# KiCad board Sofle_Pico_Choc.kicad_pcb (continued)
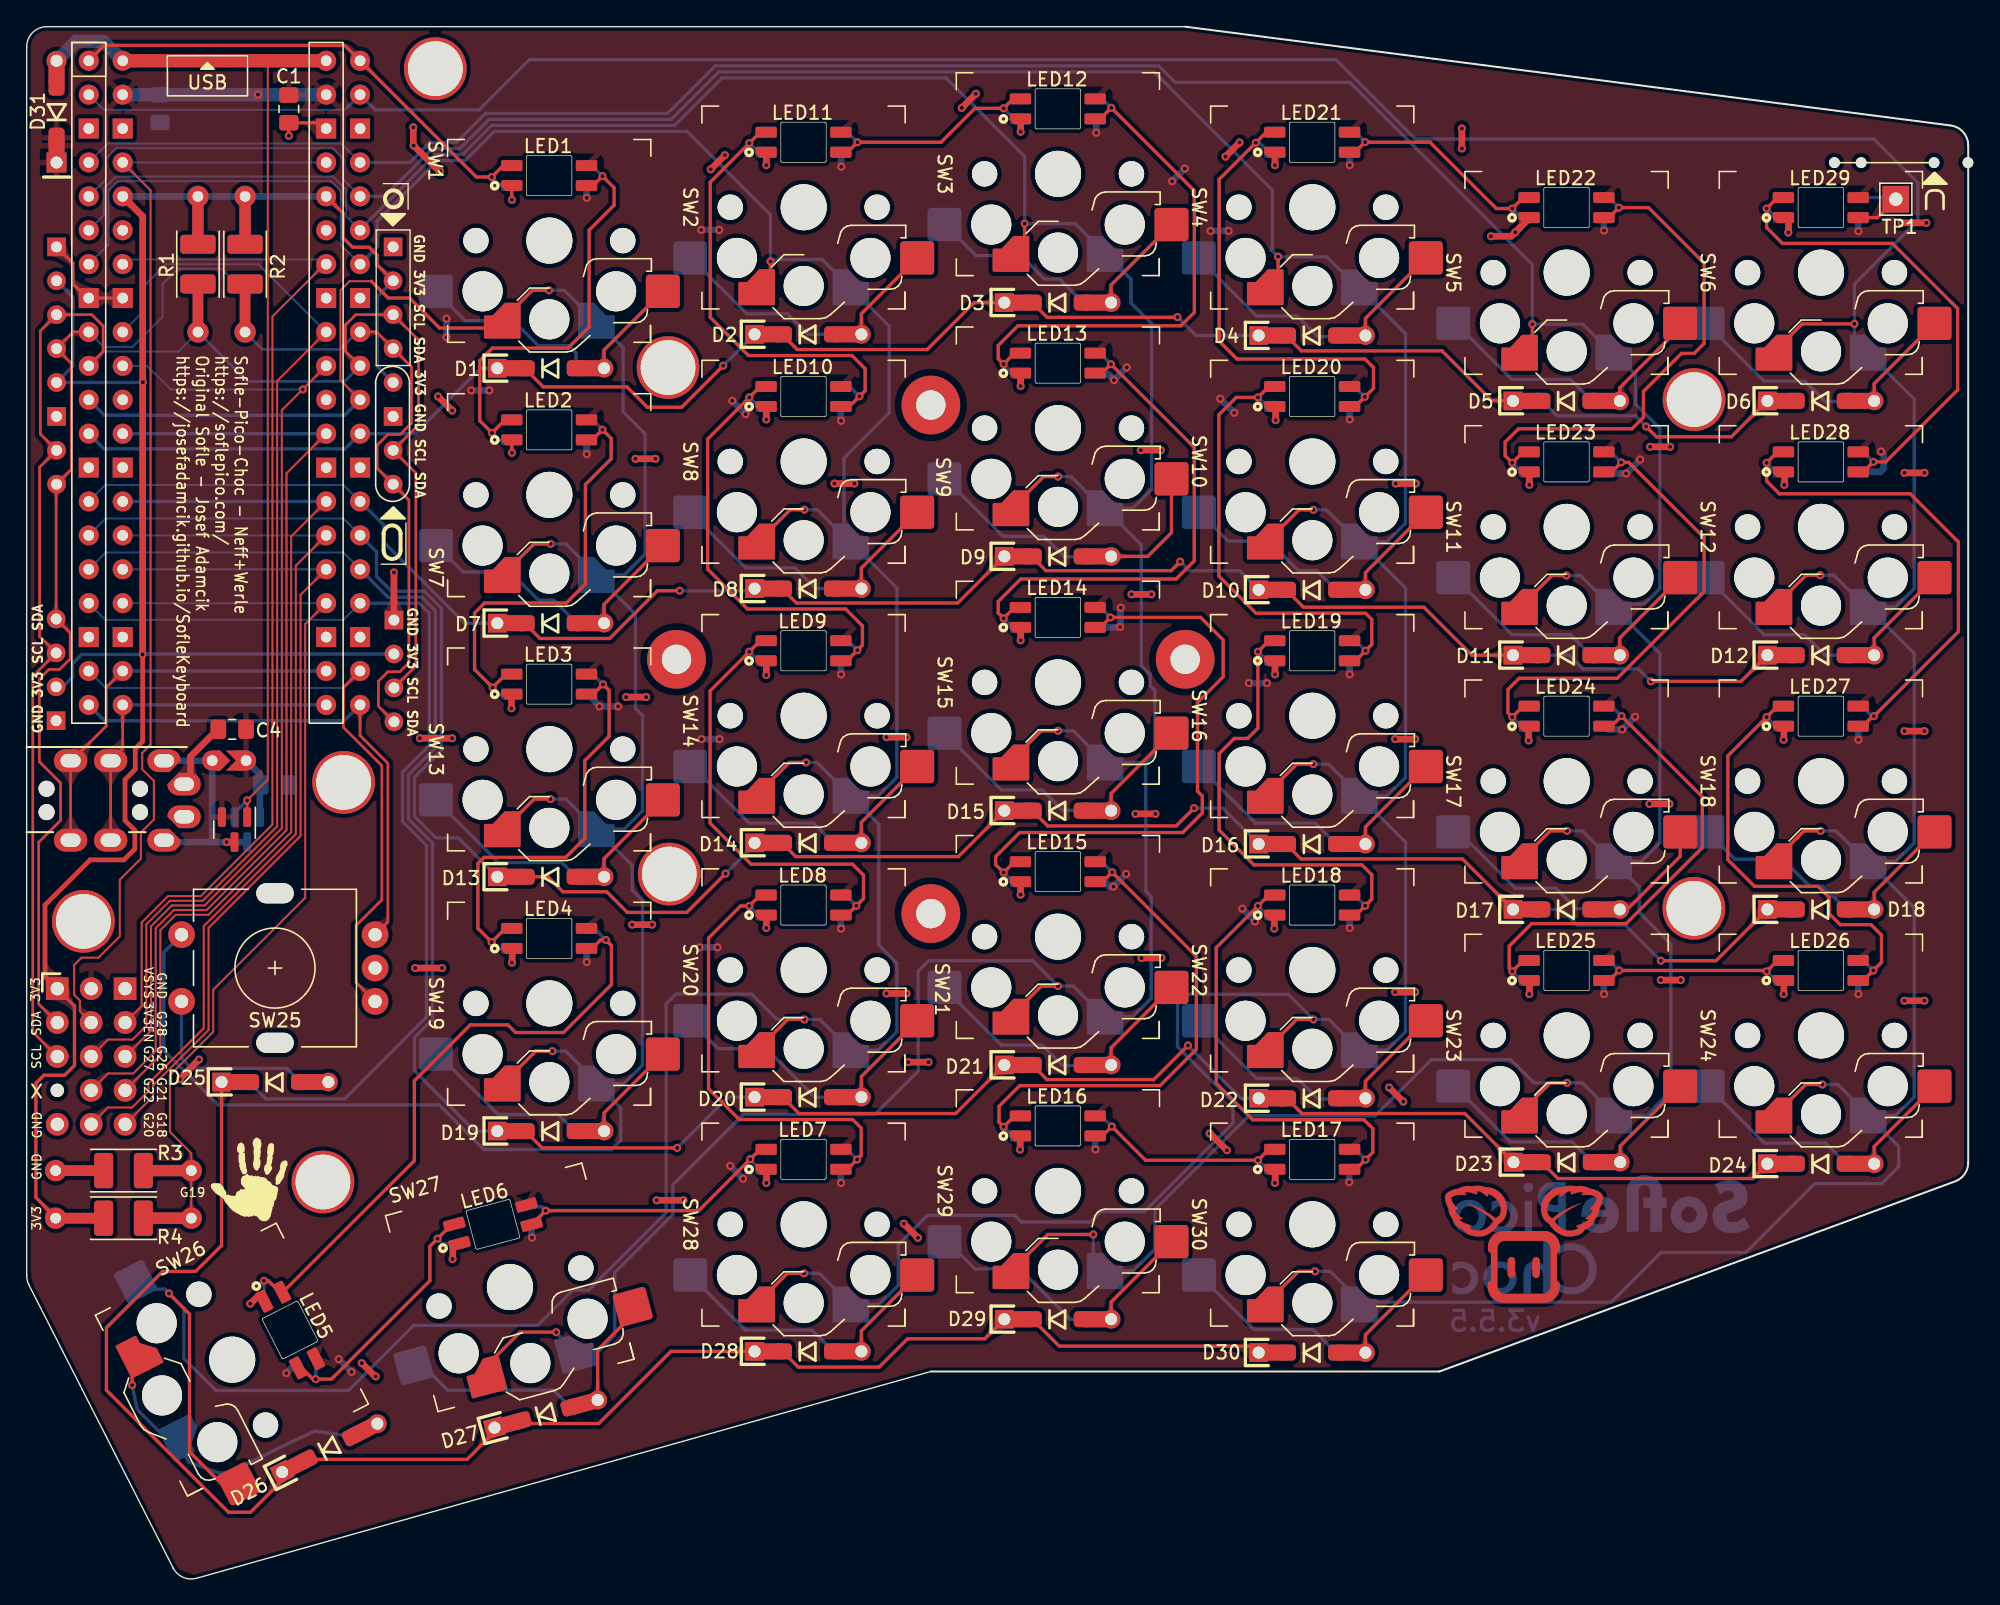
[diagram p0: board, top side]
## Nets
3V3: J1.1 J3.3 J4.3 J7.3 R1.1 R2.1 R4.2 U2.36
/3V3_EN: J5.4 U2.37
GND: C1.2 C2.2 C3.2 C4.2 J1.5 J2.1 J3.4 J4.4 J5.1 J7.4 LED1.1 LED2.1 LED3.1 LED4.1 LED5.1 LED6.1 LED7.1 LED8.1 LED9.1 LED10.1 LED11.1 LED12.1 LED13.1 LED14.1 LED15.1 LED16.1 LED17.1 LED18.1 LED19.1 LED20.1 LED21.1 LED22.1 LED23.1 LED24.1 LED25.1 LED26.1 LED27.1 LED28.1 LED29.1 R3.2 SW25.C U2.3 U2.8 U2.13 U2.18 U2.23 U2.28 U2.33 U2.38
VBUS: D31.2 Q1.1 U2.40
col0: SW6.1 SW12.1 SW18.1 SW24.1 SW30.1 U2.2
col1: SW5.1 SW11.1 SW17.1 SW23.1 SW29.1 U2.4
col2: SW4.1 SW10.1 SW16.1 SW22.1 SW28.1 U2.5
col3: SW3.1 SW9.1 SW15.1 SW21.1 SW27.1 U2.6
col4: SW2.1 SW8.1 SW14.1 SW20.1 SW26.2 U2.7
col5: SW1.1 SW7.1 SW13.1 SW19.1 SW25.S1 U2.11
ENCA: SW25.A U2.19
ENCB: SW25.B U2.20
GP18: R3.1 R4.1 U2.24
GP19: J5.9 U2.25
GP20: J5.10 U2.26
GP21: J5.7 U2.27
GP22: J5.8 U2.29
GP26: J5.5 U2.31
GP27: J5.6 U2.32
GP28: J5.3 U2.34
LED: LED1.2 U2.1
row0: D1.1 D2.1 D3.1 D4.1 D5.1 D6.1 U2.12
row1: D7.1 D8.1 D9.1 D10.1 D11.1 D12.1 U2.14
row2: D13.1 D14.1 D15.1 D16.1 D17.1 D18.1 U2.15
row3: D19.1 D20.1 D21.1 D22.1 D23.1 D24.1 U2.16
row4: D25.1 D26.1 D27.1 D28.1 D29.1 D30.1 U2.17
RX: J2.4 U2.22
SCL: J1.3 J3.2 J4.2 J7.2 R1.2 U2.10
SDA: J1.2 J3.1 J4.1 J7.1 R2.2 U2.9
SW25B: D25.2 SW25.S2
TX: J2.3 U2.21
VSYS: C1.1 C2.1 C3.1 C4.1 D31.1 J5.2 JP2.2 LED1.3 LED2.3 LED3.3 LED4.3 LED5.3 LED6.3 LED7.3 LED8.3 LED9.3 LED10.3 LED11.3 LED12.3 LED13.3 LED14.3 LED15.3 LED16.3 LED17.3 LED18.3 LED19.3 LED20.3 LED21.3 LED22.3 LED23.3 LED24.3 LED25.3 LED26.3 LED27.3 LED28.3 LED29.3 Q1.2 U2.39
Net-(D1-A): D1.2 SW1.2
Net-(D2-A): D2.2 SW2.2
Net-(D3-A): D3.2 SW3.2
Net-(D4-A): D4.2 SW4.2
Net-(D5-A): D5.2 SW5.2
Net-(D6-A): D6.2 SW6.2
Net-(D7-A): D7.2 SW7.2
Net-(D8-A): D8.2 SW8.2
Net-(D9-A): D9.2 SW9.2
Net-(D10-A): D10.2 SW10.2
Net-(D11-A): D11.2 SW11.2
Net-(D12-A): D12.2 SW12.2
Net-(D13-A): D13.2 SW13.2
Net-(D14-A): D14.2 SW14.2
Net-(D15-A): D15.2 SW15.2
Net-(D16-A): D16.2 SW16.2
Net-(D17-A): D17.2 SW17.2
Net-(D18-A): D18.2 SW18.2
Net-(D19-A): D19.2 SW19.2
Net-(D20-A): D20.2 SW20.2
Net-(D21-A): D21.2 SW21.2
Net-(D22-A): D22.2 SW22.2
Net-(D23-A): D23.2 SW23.2
Net-(D24-A): D24.2 SW24.2
Net-(D26-A): D26.2 SW26.1
Net-(D27-A): D27.2 SW27.2
Net-(D28-A): D28.2 SW28.2
Net-(D29-A): D29.2 SW29.2
Net-(D30-A): D30.2 SW30.2
Net-(JP2-A): J2.2 JP2.1 Q1.3
Net-(LED1-DOUT): LED1.4 LED2.2
Net-(LED2-DOUT): LED2.4 LED3.2
Net-(LED3-DOUT): LED3.4 LED4.2
Net-(LED4-DOUT): LED4.4 LED5.2
Net-(LED5-DOUT): LED5.4 LED6.2
Net-(LED6-DOUT): LED6.4 LED7.2
Net-(LED7-DOUT): LED7.4 LED8.2
Net-(LED8-DOUT): LED8.4 LED9.2
Net-(LED10-DIN): LED9.4 LED10.2
Net-(LED10-DOUT): LED10.4 LED11.2
Net-(LED11-DOUT): LED11.4 LED12.2
Net-(LED12-DOUT): LED12.4 LED13.2
Net-(LED13-DOUT): LED13.4 LED14.2
Net-(LED14-DOUT): LED14.4 LED15.2
Net-(LED15-DOUT): LED15.4 LED16.2
Net-(LED16-DOUT): LED16.4 LED17.2
Net-(LED17-DOUT): LED17.4 LED18.2
Net-(LED18-DOUT): LED18.4 LED19.2
Net-(LED19-DOUT): LED19.4 LED20.2
Net-(LED20-DOUT): LED20.4 LED21.2
Net-(LED21-DOUT): LED21.4 LED22.2
Net-(LED22-DOUT): LED22.4 LED23.2
Net-(LED23-DOUT): LED23.4 LED24.2
Net-(LED24-DOUT): LED24.4 LED25.2
Net-(LED25-DOUT): LED25.4 LED26.2
Net-(LED26-DOUT): LED26.4 LED27.2
Net-(LED27-DOUT): LED27.4 LED28.2
Net-(LED28-DOUT): LED28.4 LED29.2
Net-(LED29-DOUT): LED29.4 TP1.1

Pads without a net: REF** 1; U2 30 35

## Via types
v1: diameter 0.6, hole 0.3, Top to Bottom, 268 vias

## Routing (per net, layer and track width the routed paths; a pad name or vN(x,y) marks a point on that pad's centre or on a via; arc(x,y) is an arc through that point)
3V3: length 162
  Top w0.25: 1.3,27.92 1.86,27.36 2.12,27.36 ; 1.3,27.92 0.69,28.53 0.69,37.08 1.29,37.69 2.84,37.69 3.58,38.43 3.58,42.88 J1.1 ; 1.3,27.92 2.24,26.98 ; J3.3 26.24,98.42 26.24,99.14 25.65,99.72 24.41,99.72 23.7,100.43 23.7,102.27 U2.36
  Top w0.35: J1.1 1.37,45.09 1.37,50.44 4.75,53.82 7.28,53.82 8.1,54.64 8.1,56.03 7.37,56.77 7.37,59.84 8.13,60.6 8.13,62.15 8.69,62.71 v1(8.69,69.22)
  Top w0.5: v1(8.69,69.22) 8.69,102.04 U2.36
  Bottom w0.25: v1(8.7,89.61) 8.68,89.59 J3.3 3.46,90.81 3.46,95.99 J3.3 ; J7.3 2.71,66.79 3.43,67.51 3.43,68.53 4.11,69.22 v1(8.69,69.22) 8.72,69.25 J4.3 ; J3.3 26.27,96.03 26.27,90.77 J3.3 ; 19.79,103.54 19.8,103.53 19.8,103.54
  Bottom w0.5: U2.36 19.79,103.54 ; U2.36 19.8,103.54
/3V3_EN: length 84.9
  Top w0.15: 4.83,41.64 3.98,42.48 3.98,43.29 3.56,43.71 3.56,45.95 4.1,46.5 5.37,46.5 6.97,48.09 6.97,52.34 8.55,53.92 8.55,55.87 9.52,56.85 9.52,59.74 8.65,60.61 8.65,61.84 9.27,62.46 9.27,103.99 U2.37
  Bottom w0.15: U2.37 U2.37
GND: length 109.7
  Top w0.25: v1(49.2,28.32) 49.16,28.32 ; v1(19.63,108.07) C1.2 22,109.05 U2.38 ; v1(31.11,45.72) 31.08,45.72 ; v1(36.35,103.27) 36.33,103.29 LED1.1 ; 27.55,75.37 27.52,75.37 v1(27.51,75.36) ; v1(36.35,84.32) 36.33,84.34 LED2.1 ; v1(25.1,16.12) 25.12,16.1 ; J3.4 27.43,87.05 ; J3.4 3.46,98.53 3.46,96.98 4.52,95.92 U2.8 U2.33
  Top w0.5: v1(109.67,100.55) 111.2,100.55 111.87,101.22 ; 49.16,28.32 v1(47.18,28.32) ; v1(112.5,62.77) 112.5,63.73 ; 14.13,63.42 12.27,61.57 12.27,59.98 J2.1 ; v1(131.95,100.82) 131.96,100.84 131.96,101.79 ; v1(140.65,82.82) v1(142.15,82.82) ; 131.66,82.89 131.66,81.94 v1(131.65,81.92) ; 36.36,47.09 36.36,46.14 v1(36.35,46.12) ; v1(142.15,43.27) v1(140.65,43.27) ; 111.87,101.22 112.51,101.86 112.51,101.89 ; 111.87,101.22 v1(111.5,100.85) ; v1(90.85,107.57) v1(89.79,106.51) ; v1(55.4,67.67) 55.4,68.63 ; v1(112.55,81.92) 112.55,82.88 ; v1(65.7,26.57) v1(66.76,25.51) ; v1(30.81,88.54) v1(31.87,87.48) ; v1(55.4,48.72) 55.4,49.68 ; v1(107.5,108.62) v1(107.5,107.12) ; v1(140.43,101.55) v1(142.29,101.55) ; v1(11.48,37.39) 11.48,37.44 v1(12.91,38.87) ; 31.08,45.72 v1(29.1,45.72) ; v1(31.86,62.94) v1(29.45,62.94) ; v1(74.45,89.32) 74.45,90.28 ; v1(93.45,48.67) 93.45,49.63 ; v1(55.4,105.87) 55.4,106.83 ; 74.41,33.09 74.41,32.14 v1(74.4,32.12) ; v1(30.96,105.41) 30.91,105.41 v1(28.98,107.34) 28.96,107.37 v1(28.96,108.71) ; v1(46.4,66.02) v1(44.9,66.02) ; v1(93.5,29.62) 93.51,29.64 93.51,30.59 ; v1(84.55,57.27) v1(83.05,57.27) ; v1(55.4,29.62) 55.41,29.64 55.41,30.59 ; v1(93.5,105.87) 93.5,106.83 ; v1(112.55,43.77) 112.56,43.79 112.56,44.74 ; v1(55.4,86.82) 55.4,87.78 ; v1(89.9,32.07) 88.65,33.32 v1(88.6,33.32) ; v1(131.6,62.82) 131.61,62.84 131.61,63.79 ; v1(104,62.87) v1(102.5,62.87) ; v1(52.3,106.62) v1(51.24,105.56) ; v1(84.25,73.72) v1(82.75,73.72) ; v1(142.15,63.47) v1(140.65,63.47) ; v1(104.05,82.02) v1(102.55,82.02) ; v1(131.6,43.77) 131.61,43.79 131.61,44.74 ; 25.12,16.1 26.1,15.12 v1(26.15,15.12) ; v1(93.55,86.77) 93.55,87.73 ; v1(31.9,23.92) 31.91,23.94 31.91,24.99 ; v1(93.5,67.72) 93.5,68.68 ; v1(104,43.92) v1(102.5,43.92) ; v1(46.85,48.97) v1(45.35,48.97) ; v1(36.31,65.19) 36.31,66.14 ; 17.72,21.21 17.38,21.21 v1(16.75,20.57) ; v1(27.51,75.36) J4.4 ; v1(71.1,111.22) v1(70.04,110.16) ; v1(47.1,83.87) v1(45.6,83.87) ; v1(123.9,44.82) v1(122.4,44.82) ; v1(65.9,43.82) v1(64.4,43.82) ; v1(102.05,36.77) v1(103.11,35.71) ; v1(123.05,58.02) v1(121.55,58.02) ; v1(74.45,51.22) 74.45,52.18 ; v1(62,82.02) v1(60.5,82.02) ; v1(85,46.47) v1(83.5,46.47) ; v1(67.55,38.67) v1(66.03,38.67) ; v1(74.45,70.27) 74.45,71.23 ; v1(123.1,84.77) v1(121.6,84.77) ; v1(84.95,84.52) v1(83.45,84.52) ; v1(65.9,63.02) v1(64.4,63.02) ; v1(74.45,108.37) 74.45,109.33
VBUS: length 81.7
  Top w0.15: 18.08,113.7 18.06,113.67 18.06,59.83 v1(16.51,58.28)
  Top w0.2: 16.52,56.77 16.52,58.29
  Top w1: U2.40 U2.40
  Bottom w0.25: v1(16.51,58.28) 15.57,57.35
  Bottom w1: U2.40 5.74,115.15 3.71,115.15 2.25,113.69 2.22,113.72 2.22,112.34
col0: length 319.2
  Top w0.25: 130.85,91.85 132.98,93.98 v1(136.9,93.98) ; 130.85,72.72 133.28,75.15 v1(134.34,75.15) ; v1(134.37,56) 133.12,56 130.85,53.72 ; v1(134.5,37) 133.25,37 130.97,34.72 ; 92.97,20.72 95.25,23 v1(96.5,23)
  Bottom w0.15: U2.2 5.79,110.01 23.83,110.01 24.16,110.34
  Bottom w0.25: v1(96.5,23) 97.65,23 99.97,20.67 ; v1(134.37,56) 135.52,56 137.85,53.67 ; 99.97,20.7 118.69,20.7 122.4,24.41 128.76,24.41 133.92,29.57 138.94,29.57 140.21,30.84 140.21,32.36 SW24.1 140,34.67 141.38,36.05 141.38,50.24 SW18.1 140,53.72 141.38,55.1 141.38,69.29 SW12.1 140,72.77 141.38,74.15 141.38,88.34 SW6.1 ; v1(134.5,37) 135.65,37 137.97,34.67 ; 136.9,92.75 v1(136.9,93.98) 136.9,96.96 141.65,101.72 141.65,104.55 138.37,107.83 104,107.83 98.06,113.77 37.65,113.77 33.89,110.01 26.11,110.01 U2.2 24.03,110.22 ; v1(134.34,75.15) 135.37,75.15 137.85,72.67
col1: length 281
  Top w0.25: 111.85,34.85 114.12,37.12 v1(115.37,37.12) ; v1(79.89,25.76) 76.49,25.76 SW29.1 ; v1(115.33,75.13) 114.24,75.13 111.83,72.72 ; SW17.1 114.12,56 v1(115.37,56) ; v1(112.78,93.96) 112.78,92.65
  Bottom w0.15: U2.4 23.55,107.5 6.07,107.5 U2.4
  Bottom w0.25: SW29.1 82.86,23.02 84.5,24.66 84.5,27.61 91.54,34.65 100.99,34.65 105.19,38.85 111.17,38.85 112.9,37.12 v1(115.37,37.12) 116.52,37.12 118.85,34.8 ; v1(115.33,75.13) 116.37,75.13 118.83,72.67 ; v1(115.37,56) 116.52,56 118.85,53.67 ; SW23.1 121.3,34.67 123.15,36.52 123.15,47.52 120.77,49.9 120.77,51.8 SW17.1 120.95,53.72 122.33,55.1 122.33,69.29 SW11.1 ; 118.85,91.67 116.56,93.96 v1(112.78,93.96) 112.78,98.42 99.13,112.07 86.04,112.07 84.8,113.31 51.56,113.31 48,109.75 34.38,109.75 32.2,107.57 30.2,107.57 28.7,106.08 U2.4 ; SW5.1 120.5,90.17 120.5,87.97 122.33,86.14 122.33,74.15 121.17,72.99 119.07,72.99 ; v1(79.89,25.76) 79.89,23.86
col2: length 278.1
  Top w0.25: v1(93.73,99.02) 93.73,97.65 ; 92.85,77.6 95.3,80.05 v1(96.37,80.05) ; v1(96.37,41.87) 95.12,41.87 92.85,39.6 ; v1(96.37,61) 95.12,61 92.85,58.72 ; 54.7,20.57 56.97,22.85 v1(58.22,22.85)
  Bottom w0.15: U2.5 23.72,104.78 23.72,106.35 22.92,107.15 6.72,107.15 5.94,106.38 5.94,104.83 U2.5
  Bottom w0.25: v1(96.37,61) 97.52,61 99.85,58.67 ; v1(96.37,80.05) 97.34,80.05 99.85,77.55 ; SW4.1 103.28,93.24 103.28,79.05 101.9,77.67 SW10.1 103.28,74.19 103.28,60 101.9,58.62 SW16.1 103.28,55.14 103.28,40.95 101.9,39.57 SW22.1 ; 99.72,96.67 97.4,99 93.75,99 v1(93.73,99.02) 93.3,99.45 93.3,104.01 84.45,112.86 51.84,112.86 48.28,109.3 34.63,109.3 32.45,107.12 30.38,107.12 26.8,103.54 U2.5 ; 99.85,39.55 97.52,41.87 v1(96.37,41.87) 94.49,43.75 86.93,43.75 86.2,43.02 86.2,39.82 90.35,35.67 90.35,34.1 83.72,27.47 80.44,27.47 79.66,26.7 74.51,26.7 74,27.2 67.48,27.2 65.28,25.01 65.28,21.95 63.85,20.52 SW28.1 59.37,22.85 v1(58.22,22.85)
col3: length 261.5
  Top w0.25: v1(77.25,44.37) 76,44.37 73.72,42.1 ; v1(39.66,18.44) 36.96,18.44 34.37,15.85 ; v1(74.75,101.5) 74.75,100.12 ; 73.72,61.22 76,63.5 v1(77.25,63.5) ; v1(77.26,82.54) 76.17,82.54 73.72,80.1
  Bottom w0.15: U2.6 5.78,102.12 5.78,104.11 6.69,105.02 22.93,105.02 23.93,104.02 23.93,102.03 U2.6
  Bottom w0.25: 80.85,99.17 78.52,101.5 78.14,101.5 ; 25.42,101 25.42,101.5 30.6,106.67 32.65,106.67 34.83,108.85 48.53,108.85 52.09,112.41 68.86,112.41 74.75,106.52 v1(74.75,101.5) ; 78.14,101.5 74.75,101.5 v1(74.75,101.5) ; 78.14,101.5 78.13,101.5 v1(74.75,101.5) ; 80.72,80.05 78.23,82.54 v1(77.26,82.54) ; v1(77.25,63.5) 78.4,63.5 80.72,61.17 ; v1(39.66,18.44) 39.66,18.4 SW27.1 42.76,16.93 44.05,18.22 44.05,22.91 48.4,27.26 48.4,29.47 53.67,34.75 63.52,34.75 66.77,38 66.77,45.5 67.55,46.27 75.35,46.27 v1(77.25,44.37) 78.4,44.37 80.72,42.05 ; SW21.1 82.85,42.07 84.23,43.45 84.23,51.07 83.82,51.47 83.82,61.12 ; 80.83,99.22 82.72,97.33 82.72,95.54 84.26,94 84.26,81.58 82.85,80.17 SW9.1 83.48,77.43 83.48,68.37 84.15,67.7 84.15,66.87 84.5,66.52 84.5,61.8 83.82,61.12 ; 83.82,61.12 SW15.1
col4: length 268.8
  Top w0.25: 54.72,77.6 57.19,80.06 v1(58.25,80.06) ; v1(55.71,98.66) 55.71,97.71 ; 54.85,58.85 57.12,61.12 v1(58.37,61.12) ; v1(10.66,21.35) 10.66,21.33 12.2,19.79 12.2,9.48 14.6,7.08 SW26.2 ; v1(58.25,41.87) 57,41.87 54.72,39.6
  Bottom w0.15: U2.7 6.13,99.93 6.13,103.97 6.83,104.67 22.78,104.67 23.52,103.93 23.52,99.9 U2.7
  Bottom w0.25: U2.7 26.24,99.72 26.24,101.67 30.78,106.22 32.85,106.22 35.03,108.4 49.47,108.4 55.71,102.16 v1(55.71,98.66) 55.85,98.8 59.59,98.8 61.72,96.67 ; 61.72,77.55 59.21,80.06 v1(58.25,80.06) ; 61.22,78.15 61.22,83.93 64.6,87.31 64.6,93.82 SW2.1 ; SW20.1 63.8,39.57 65.18,40.95 65.18,46.08 63.82,47.43 63.82,56.5 SW14.1 ; SW14.1 59.2,61.12 v1(58.37,61.12) ; SW14.1 63.8,58.62 65.18,60 65.18,74.19 SW8.1 ; 61.72,39.55 59.4,41.87 v1(58.25,41.87) 56.2,41.87 54.3,43.77 48.62,43.77 47.9,43.05 47.9,27.4 42.1,21.6 40.92,21.6 38.27,18.95 28.98,18.95 24.11,14.07 14.17,14.07 11.77,16.47 11.77,20.24 v1(10.66,21.35) 10.34,21.67 8.71,21.67
col5: length 202.1
  Top w0.15: U2.11 23.5,89.77 23.5,96.49 24.18,97.18 25.81,97.18
  Top w0.25: 25.81,97.18 27.07,95.92 28.67,95.92 30.92,93.67 35.1,93.67 SW1.1 35,93.57 ; v1(39.25,77.5) 38,77.5 35.72,75.22 ; v1(39.37,39.5) 38.12,39.5 35.85,37.22 ; 35.6,94.22 37.87,96.5 v1(39.12,96.5) ; 35.72,56.1 38.01,58.38 v1(39.24,58.38)
  Bottom w0.25: v1(39.37,39.5) 40.37,39.5 42.7,37.17 ; v1(39.12,96.5) 40.27,96.5 42.6,94.17 ; 42.72,75.17 40.4,77.5 v1(39.25,77.5) ; U2.11 23.8,87.13 5.82,87.13 U2.11 ; v1(39.24,58.38) 40.39,58.38 42.72,56.05 ; SW1.1 44.68,92.19 44.68,87.38 46.32,85.74 46.32,76.75 44.75,75.17 SW7.1 45.6,72.22 45.6,65.17 46.13,64.64 46.13,57.5 44.75,56.12 SW13.1 45.35,53.42 45.35,51.55 46.13,50.77 46.13,38.45 44.75,37.07 SW19.1 44.5,35.22 44.5,32.82 43.8,32.12 34.25,32.12 30.9,35.47 14.35,35.47 10.26,39.56 10.26,46.88 SW25.S1
ENCA: length 49.2
  Top w0.2: U2.19 23.72,66.73 23.72,63.76 26.6,60.88 26.6,50.83 24.67,48.91 24.67,44.65 SW25.A
  Bottom w0.15: U2.19 5.92,66.71 23.7,66.71 U2.19
ENCB: length 39.8
  Top w0.2: SW25.B 27.05,49.17 27.05,61.06 24.97,63.14 U2.20
  Bottom w0.25: U2.20 5.84,64.25 23.78,64.25 U2.20
GP18: length 66.8
  Top w0.15: R4.1 R3.1 12.33,31.85 10.72,33.46 10.72,37.69 13.97,40.93 13.97,44.09 20.86,50.98 20.86,71.49 U2.24
  Bottom w0.15: U2.24 U2.24
GP19: length 63.1
  Top w0.15: J5.9 9.47,36.11 9.47,36.93 13.62,41.08 13.62,48.72 20.51,55.61 20.51,73.68 U2.25
  Bottom w0.15: U2.25 7.19,75.59 22.42,75.59 U2.25
GP20: length 67.7
  Top w0.15: J5.10 6.09,35.28 7.9,35.28 9.12,36.5 9.12,37.07 13.26,41.21 13.26,48.86 20.16,55.76 20.16,75.87 U2.26
  Bottom w0.15: U2.26 U2.26
GP21: length 67
  Top w0.15: J5.7 10.01,39.2 10.01,48.56 11.16,49.71 13.61,49.71 19.81,55.9 19.81,78.06 U2.27
  Bottom w0.25: U2.27 U2.27
GP22: length 74.3
  Top w0.15: U2.29 19.46,82.79 19.46,56.05 13.47,50.06 11.02,50.06 9.66,48.7 9.66,39.51 7.97,37.82 6.09,37.82 J5.8
  Bottom w0.25: U2.29 U2.29
GP26: length 73.6
  Top w0.15: U2.31 19.11,87.52 19.11,56.19 13.32,50.41 10.87,50.41 9.31,48.85 9.31,41.04 J5.5
  Bottom w0.15: U2.31 9.02,90.84 10.79,89.07 v1(20.68,89.07)
GP27: length 84.6
  Top w0.15: U2.32 18.76,89.71 18.76,56.34 13.18,50.76 10.73,50.76 8.96,48.99 8.96,41.4 7.92,40.36 6.09,40.36 J5.6
  Bottom w0.15: U2.32 8.74,94.92 8.74,96.76 10.43,98.45 17.35,98.45 U2.32
GP28: length 80.1
  Top w0.15: U2.34 22.32,98.46 18.41,94.54 18.41,56.48 13.03,51.11 10.58,51.11 8.61,49.14 8.61,42.88 7.37,41.64
  Bottom w0.15: U2.34 7.54,98.81 22.08,98.81 U2.34
LED: length 37.8
  Top w0.25: 35.72,105.87 v1(34.83,104.98) 33.68,104.98 U2.1 23.82,114.85 5.8,114.85 U2.1
  Bottom w0.25: 36.41,104.43 35.39,104.43 v1(34.83,104.98)
row0: length 131.1
  Top w0.25: 111.3,88.23 109.73,88.23 106,91.96 95.47,91.96 D4.1 ; D1.1 38.69,89.26 44.96,89.26 46.48,87.74 49.06,87.74 v1(52.17,90.85) ; D3.1 76.43,94.47 86.18,94.47 v1(86.2,94.49) ; D3.1 70.96,95.58 67.45,92.06 57.71,92.06 D2.1 ; v1(121.29,86.29) 122.06,85.52 127.68,85.52 130.37,88.21
  Bottom w0.25: v1(86.2,94.49) 87.58,93.11 D4.1 ; v1(52.17,90.85) D2.1 ; v1(121.29,86.29) 120.49,87.09 114.64,87.09 113.52,88.21 D5.1 ; U2.12 5.79,84.61 23.83,84.61 U2.12 29.08,85.76 33.98,90.66 D1.1
row1: length 130
  Top w0.25: D9.1 69.73,73.07 57.65,73.07 D8.1 ; D10.1 95.63,72.75 104.65,72.75 108.24,69.16 D11.1 ; v1(86.4,76.17) 85.72,75.49 76.34,75.49 D9.1 ; v1(48.91,73.99) 47.25,73.99 43.67,70.41 38.44,70.41 D7.1 ; D12.1 128.41,67.2 v1(121.65,67.2)
  Bottom w0.15: U2.14 23.73,81.92 5.89,81.92 U2.14
  Bottom w0.25: D7.1 32.81,71.56 26.75,77.62 26.75,78.9 U2.14 ; D10.1 90.84,75.49 87.08,75.49 v1(86.4,76.17) ; v1(48.91,73.99) 48.92,73.97 54.34,73.97 ; D11.1 115.54,69.16 116.57,68.13 120.72,68.13 v1(121.65,67.2)
row2: length 151.8
  Top w0.25: v1(122.4,46.27) 126.53,46.27 D18.1 ; D15.1 76.47,56.37 86.1,56.37 v1(87.43,57.7) ; v1(52.35,52.8) 49.44,49.89 44.99,49.89 43.45,51.43 40.17,51.43 39.04,52.56 D13.1 ; D15.1 69.78,54.07 57.6,54.07 D14.1 ; D16.1 95.43,53.9 107.53,53.9 D17.1
  Bottom w0.15: U2.15 23.7,79.4 5.92,79.4 U2.15
  Bottom w0.25: v1(87.43,57.7) 89.59,57.7 92.27,55.01 ; v1(122.4,46.27) 119.73,48.94 116.14,48.94 114.97,50.11 D17.1 ; 34.75,53.05 32.33,55.48 30.64,55.48 29.05,57.08 29.05,60.02 31.06,62.03 31.06,72.67 29.78,73.96 27.31,73.96 26.2,75.07 26.2,76.91 U2.15 ; v1(52.35,52.8) 54.52,54.97
row3: length 167.8
  Top w0.25: v1(86.98,39.92) 84.42,37.36 76.42,37.36 D21.1 ; D19.1 38.61,32.25 v1(48.72,32.25) ; D23.1 114.68,29.95 129.27,29.95 D24.1 ; D22.1 95.51,34.82 107.71,34.82 D23.1 ; D20.1 57.85,34.82 69.58,34.82 D21.1
  Bottom w0.15: U2.16 23.7,76.86 5.91,76.86 U2.16
  Bottom w0.25: U2.16 27.06,73.51 29.59,73.51 30.61,72.48 30.61,62.22 28.6,60.21 28.6,56.89 30.4,55.09 30.4,41.87 29.05,40.52 29.05,38.03 33.56,33.51 D19.1 ; D22.1 90.94,35.96 v1(86.98,39.92) ; v1(48.72,32.25) 52.53,36.05 D20.1
row4: length 191.9
  Top w0.25: D25.1 14.6,24.94 12.65,22.99 10.19,22.99 5.97,18.78 5.97,14.09 15.12,4.95 16.76,4.95 19.13,7.32 D26.1 ; 37.3,11.6 42.85,11.6 48.25,17 D28.1 ; 91.79,17.4 77.34,17.4 D29.1 ; 35.04,10.96 32.98,8.91 D26.1 ; D29.1 71.76,17.95 65.97,17.95 63.85,15.82 57.8,15.82 D28.1
  Bottom w0.15: U2.17 5.89,71.81 23.72,71.81 U2.17
  Bottom w0.25: D25.1 17.91,35.92 23.82,35.92 29.95,42.05 29.95,54.9 28.15,56.7 28.15,60.39 30.16,62.41 30.16,72.3 29.4,73.06 U2.17
RX: length 30
  Top w0.2: U2.22 5.95,66.74 5.95,63.84 3.36,61.25 ; J2.4 J2.4
  Bottom w0.25: U2.22 U2.22 7.55,67.62
SCL: length 128.1
  Top w0.2: U2.10 23.87,91.93 23.87,93.9 24.65,94.67 J3.2 29.35,92.77 29.35,86.41 J3.2 29.15,82.81 29.15,68.35 J4.2 ; J1.3 0.46,40.93 0.46,67.58 J7.2 0.97,70.57 0.97,83.24 J3.2 1.02,85.72 1.02,93.46 J3.2 4.87,94.67 5.72,93.82 5.72,91.91 U2.10
  Bottom w0.15: R1.2 11.36,91.9 5.72,91.9 U2.10
  Bottom w0.2: U2.10 23.8,89.67 16.53,89.67 R1.2
SDA: length 120.4
  Top w0.2: J4.1 26.35,65.33 26.35,67.22 27.05,67.92 27.95,67.92 28.63,68.6 28.63,80.79 J3.1 26.25,83.17 26.25,84.9 27.05,85.7 27.97,85.7 28.82,86.55 28.82,90.75 J3.1 26.2,93.38 U2.9 ; 2.2,81.94 J7.1 3.26,70.82 3.26,68.88 2.47,68.1 1.66,68.1 0.94,67.38 0.94,61.19 2.54,59.59 2.54,56.79 0.9,55.14 0.9,43.03 2.29,41.64 ; J3.1 3.34,83.07 3.34,91.03 J3.1 3.48,93.38 U2.9
  Bottom w0.15: R2.2 15.74,96.97 14.61,98.1 11.31,98.1 10.18,96.98 10.18,94.51 7.92,92.25 5.77,92.25 U2.9
  Bottom w0.2: R2.2 17.65,92.08 23.47,92.08 24.77,93.38 U2.9
SW25B: length 13.9
  Bottom w0.25: D25.2 19.47,38.21 12.35,38.21 11.6,38.96 SW25.S2
TX: length 26
  Top w0.2: 7.19,64.75 7.19,63.75 ; 7.19,63.75 7.19,62.15 6.85,61.81 ; 7.19,63.75 U2.21 ; J2.3 J2.3
  Bottom w0.25: U2.21 U2.21
VSYS: length 80.6
  Bottom w0.5: v1(99.1,67.72) 99.08,67.74 99.08,68.69 ; v1(50.39,47.27) v1(51.75,47.27) ; LED21.3 99.08,105.89 v1(99.1,105.87) ; v1(19.45,15.37) 19.84,15.77 LED5.3 ; LED3.3 42.03,66.24 42.9,65.37 v1(42.9,65.32) v1(44.3,65.32) ; LED1.3 41.93,103.44 v1(41.95,103.42) ; v1(24.33,15.46) v1(23.37,16.42) ; 137.18,63.79 137.18,62.84 v1(137.2,62.82) ; v1(50.52,101.02) v1(51.87,101.02) ; 137.18,101.89 137.18,100.94 v1(137.2,100.92) ; LED13.3 80.1,90.22 81,90.22 81.44,89.78 v1(81.44,89.76) v1(82.4,90.72) ; 31.4,92.97 v1(31.45,92.97) v1(31.45,94.37) ; 60.98,30.59 60.98,29.64 v1(61,29.62) ; LED2.3 41.93,84.24 v1(41.95,84.22) ; v1(81.95,72.72) 81.9,72.72 81.93,72.69 81.93,71.3 v1(81.9,71.27) 81.87,71.24 LED14.3 ; v1(37.85,25.52) 37.82,25.55 LED6.3 ; 137.18,44.74 137.18,43.79 v1(137.2,43.77) ; v1(80.05,32.12) 80.03,32.14 80.03,33.09 ; v1(50.54,62.87) v1(51.9,62.87) ; LED20.3 99.08,86.84 v1(99.1,86.82) ; v1(91.54,67.07) v1(92.9,67.07) ; 60.98,87.69 60.98,86.74 v1(61,86.72) ; v1(52.85,88.22) v1(53.85,87.22) ; 80.1,109.27 80.1,108.32 v1(80.11,108.3) ; v1(138.9,84.42) 139.1,84.22 139.1,83.16 138.83,82.89 LED28.3 ; LED15.3 80.73,52.19 81.1,51.82 v1(81.4,51.82) v1(82.35,52.77) ; v1(61.01,105.75) 61,105.77 61,106.72 ; v1(120.85,83.82) v1(119.8,82.77) 118.25,82.77 LED23.3 ; 99.05,30.65 99.05,29.69 v1(99.06,29.68) ; LED22.3 118.13,100.99 v1(118.15,100.97) ; 118.33,63.75 118.48,63.6 v1(119.5,63.6) 119.52,63.6 v1(120.47,64.55) ; v1(85.79,104.66) v1(86.75,105.62) ; JP2.2 17.47,60.23 Q1.2 ; v1(53.65,29.94) v1(52.7,30.9) ; v1(61,48.67) 60.98,48.69 60.98,49.64 ; 60.98,68.69 60.98,67.74 v1(61,67.72) ; LED18.3 99.08,48.74 v1(99.1,48.72) ; v1(33.29,89) v1(34.65,89) ; v1(92,49.21) v1(91.05,50.17) ; v1(41.95,46.17) 41.93,46.19 41.93,47.14 ; v1(90.45,87.32) v1(89.4,88.37) ; 118.13,44.74 118.13,43.79 v1(118.15,43.77) ; v1(88.67,100.95) v1(90.02,100.95)
  Bottom w1: U2.39 v1(17.32,111.16) U2.39
Net-(D1-A): length 21.1
  Top w0.25: D1.2 43.25,92.02 SW1.2
  Bottom w0.25: SW1.2 32.85,94.22 36.45,94.22 38.33,92.34 40.62,92.34 41.15,91.81 D1.2
Net-(D2-A): length 21.3
  Top w0.25: SW2.2 62.52,94.74 D2.2
  Bottom w0.25: 61.1,93.2 58.52,93.2 56.98,94.73 53.93,94.73 49.66,99.01
Net-(D3-A): length 21.6
  Top w0.25: D3.2 81.22,96.9 SW3.2
  Bottom w0.25: 80.28,95.54 79.16,95.54 77.36,97.34 76.23,97.34 74.47,99.1 71.1,99.1 68.85,101.35
Net-(D4-A): length 21.5
  Top w0.25: SW4.2 100.27,94.4 D4.2
  Bottom w0.25: 99.28,93.04 96.71,93.04 95.17,94.57 92.12,94.57 87.85,98.85
Net-(D5-A): length 21.2
  Top w0.25: 123.85,93.72 119.32,89.2 D5.2
  Bottom w0.25: 118.33,88.21 D5.2 115.61,89.82 111.25,89.82 106.97,94.1
Net-(D6-A): length 21.5
  Top w0.25: D6.2 138.37,89.5 SW6.2
  Bottom w0.25: 125.85,93.97 130.12,89.7 133.17,89.7 134.71,88.16 137.28,88.16
Net-(D7-A): length 20.5
  Top w0.25: D7.2 43.25,72.97 SW7.2
  Bottom w0.25: 30.72,77.35 32.68,75.39 36.23,75.39 38.35,73.27 39.5,73.27 41.15,71.62 D7.2
Net-(D8-A): length 21
  Top w0.25: SW8.2 62.52,75.69 D8.2
  Bottom w0.25: 61.66,74.16 59.08,74.16 57.55,75.7 53.87,75.7 50.22,79.34
Net-(D9-A): length 23.1
  Top w0.25: D9.2 83.96,76.56 85.75,78.35 SW9.2
  Bottom w0.25: 68.85,82.35 73.12,78.07 76.17,78.07 77.71,76.54 80.28,76.54
Net-(D10-A): length 20.3
  Top w0.25: SW10.2 100.27,75.35 D10.2
  Bottom w0.25: 87.85,79.85 89.99,77.7 93.04,77.7 95.23,75.51 96.61,75.51 98.06,74.06
Net-(D11-A): length 21.5
  Top w0.25: SW11.2 119.32,70.45 D11.2
  Bottom w0.25: 106.97,74.97 111.25,70.7 115.62,70.7 117.16,69.16 118.41,69.16
Net-(D12-A): length 21.5
  Top w0.25: SW12.2 138.37,70.45 D12.2
  Bottom w0.25: 125.85,74.97 130.12,70.7 133.17,70.7 134.71,69.16 137.28,69.16
Net-(D13-A): length 20.5
  Top w0.25: D13.2 43.25,53.92 SW13.2
  Bottom w0.25: D13.2 40.08,53.62 35.34,53.62 30.65,58.31
Net-(D14-A): length 20.4
  Top w0.25: SW14.2 62.52,56.64 D14.2
  Bottom w0.25: D14.2 58.95,56.57 54.12,56.57 49.85,60.85
Net-(D15-A): length 21.5
  Top w0.25: SW15.2 81.22,58.8 D15.2
  Bottom w0.25: 80.16,57.54 77.58,57.54 76.05,59.07 73,59.07 68.72,63.35
Net-(D16-A): length 21.4
  Top w0.25: SW16.2 100.27,56.3 D16.2
  Bottom w0.25: 99.16,55.04 98.05,55.04 96.52,56.57 92.05,56.57 SW16.2
Net-(D17-A): length 21.3
  Top w0.25: 119.88,50.11 123.85,54.08 SW17.2
  Bottom w0.25: 118.66,50.16 116.08,50.16 114.55,51.7 111.5,51.7 107.22,55.97
Net-(D18-A): length 20.4
  Top w0.25: SW18.2 138.37,51.4 D18.2
  Bottom w0.25: 125.97,55.85 127.95,53.87 131.53,53.87 133.56,51.84 134.54,51.84 D18.2
Net-(D19-A): length 21.4
  Top w0.25: SW19.2 43.25,34.87 D19.2
  Bottom w0.25: 42.28,33.41 41.15,33.41 39.81,34.75 35.32,34.75 30.85,39.22
Net-(D20-A): length 21.5
  Top w0.25: SW20.2 62.52,37.59 D20.2
  Bottom w0.25: SW20.2 51.79,39.68 55.39,39.68 59.03,36.04 61.41,36.04
Net-(D21-A): length 21.5
  Top w0.25: SW21.2 81.22,39.75 D21.2
  Bottom w0.25: 68.72,44.22 73,39.95 76.05,39.95 77.58,38.41 80.16,38.41
Net-(D22-A): length 21.5
  Top w0.25: D22.2 100.27,37.25 SW22.2
  Bottom w0.25: 87.85,41.72 92.12,37.45 95.17,37.45 96.71,35.91 99.28,35.91
Net-(D23-A): length 20.4
  Top w0.25: SW23.2 119.36,32.38 D23.2
  Bottom w0.25: 106.85,36.97 111.12,32.7 115.74,32.7 D23.2
Net-(D24-A): length 21.5
  Top w0.25: D24.2 138.37,32.35 SW24.2
  Bottom w0.25: D24.2 D24.2 134.74,32.6 130.17,32.6 SW24.2
Net-(D26-A): length 20.8
  Top w0.25: v1(7.9,14.47) 7.9,16.21
  Bottom w0.25: v1(7.9,14.47) 8.25,12.77 8.47,12.45 10.38,10.54 ; 11.64,9.66 12.12,8.72 14.4,7.89 15.08,7.89 15.08,7.89 19.53,10.07 21.57,11.02 D26.2
Net-(D27-A): length 19.8
  Top w0.25: D27.2 42.77,17.11 45.39,19.74
  Bottom w0.25: D27.2 39.45,14.1 31.52,14.1 29.67,15.95
Net-(D28-A): length 20.5
  Top w0.25: SW28.2 62.52,18.54 D28.2
  Bottom w0.25: D28.2 58.82,18.6 53.82,18.6 SW28.2
Net-(D29-A): length 21.5
  Top w0.25: SW29.2 81.22,20.7 D29.2
  Bottom w0.25: 80.41,19.41 78.16,19.41 74.39,23.18 71.02,23.18 68.97,25.22
Net-(D30-A): length 21.6
  Top w0.25: D30.2 100.27,18.25 104.75,22.72 SW30.2
  Bottom w0.25: 99.28,16.91 98.07,16.91 96.34,18.64 91.93,18.64 87.85,22.72
Net-(JP2-A): length 16.4
  Top w0.5: v1(14.97,55.16) 15.56,55.16
  Bottom w0.5: 13.89,55.16 10.43,55.16 ; 13.89,55.16 Q1.3 ; 13.89,55.16 JP2.1 13.88,61.25 J2.2
Net-(LED1-DOUT): length 32.6
  Top w0.25: 35.73,86.7 v1(34.85,85.81) 33.93,86.73 33.93,91.23 34.88,92.17 40.55,92.17 42.13,93.75 42.13,101 44,102.87 44,104.18 v1(43.13,105.05) 42.5,104.43
  Bottom w0.25: v1(34.85,85.81) 35.41,85.26 36.42,85.26 ; v1(43.13,105.05) 42.31,105.87
Net-(LED2-DOUT): length 33.1
  Top w0.25: 42.33,85.26 v1(43.13,86.05) 43.78,85.4 43.78,83.88 41.85,81.95 41.85,74.5 40.42,73.07 34.3,73.07 33.55,72.32 33.55,68.09 v1(34.9,66.74) 35.78,67.62
  Bottom w0.25: 36.47,66.18 35.46,66.18 v1(34.9,66.74) ; v1(43.13,86.05) 42.48,86.7
Net-(LED3-DOUT): length 32.7
  Top w0.25: 42.38,66.18 v1(43.16,66.97) 43.63,66.5 43.63,63.09 41.8,61.26 41.8,55.44 40.38,54.01 34.25,54.01 33.8,53.56 33.8,48.69 v1(34.82,47.66) 35.71,48.55
  Bottom w0.25: 36.4,47.11 35.38,47.11 v1(34.82,47.66) ; v1(43.16,66.97) 42.51,67.62
Net-(LED4-DOUT): length 47.5
  Top w0.25: 19.06,21.33 18.1,22.3 v1(17.77,22.3) ; v1(43.38,47.83) 42.98,47.83 42.26,47.11 ; 19.08,21.33 29.04,31.29 29.04,37.27 33.23,41.46 36.05,41.46 36.62,40.89 40.21,40.89 43.8,44.48 43.8,47.41 43.36,47.84
  Bottom w0.25: v1(17.77,22.3) 17.77,20.71 ; v1(43.38,47.83) 42.66,48.55
Net-(LED5-DOUT): length 21.7
  Top w0.25: 20.4,15.96 21.44,14.92 v1(21.65,14.92) 22.83,14.92 30.2,22.29 30.2,24.87 v1(30.77,25.45) 31.78,26.46
  Bottom w0.25: 32.49,25.07 31.15,25.07 v1(30.77,25.45) ; 21.49,16.61 21.65,16.45 v1(21.65,14.92)
Net-(LED6-DOUT): length 22.3
  Top w0.25: 54.85,32.06 v1(54.19,31.4) 50.34,27.55 v1(38.87,27.55) 37.76,26.44
  Bottom w0.25: 37.24,27.83 38.59,27.83 v1(38.87,27.55) ; v1(54.19,31.4) 54.19,31.38 54.95,30.62
Net-(LED7-DOUT): length 34.6
  Top w0.25: 54.86,51.11 v1(54.12,50.37) 53.47,50.37 51.07,47.97 51.07,36.67 53.37,34.37 61.87,34.37 62.51,33.73 62.51,31.68 v1(62.2,31.38) 61.44,30.62
  Bottom w0.25: v1(62.2,31.38) 61.52,32.06 ; v1(54.12,50.37) 54.83,49.67
Net-(LED8-DOUT): length 33.8
  Top w0.25: 61.47,49.71 v1(62.14,50.38) 62.68,50.92 62.68,52.68 61.86,53.5 54.26,53.5 51.19,56.57 51.19,66.49 v1(54.12,69.42) 54.86,70.16
  Bottom w0.25: v1(62.14,50.38) 61.37,51.15 ; v1(54.12,69.42) 54.83,68.72
Net-(LED10-DIN): length 33.6
  Top w0.25: 54.86,89.21 v1(54.12,88.47) 51.01,85.36 51.01,75.6 53.99,72.62 61.34,72.62 62.6,71.36 62.6,69.91 v1(62.22,69.53) 61.45,68.76
  Bottom w0.25: v1(62.22,69.53) 61.55,70.2 ; v1(54.12,88.47) 54.83,87.77
Net-(LED10-DOUT): length 34.7
  Top w0.25: 61.59,87.77 v1(62.38,88.55) 62.8,88.97 62.8,90.63 61.82,91.61 54.06,91.61 51.2,94.47 51.2,104.6 v1(54.12,107.52) 54.86,108.26
  Bottom w0.25: 60.76,89.21 61.72,89.21 v1(62.38,88.55) ; v1(54.12,107.52) 54.83,106.82
Net-(LED11-DOUT): length 16.1
  Top w0.25: 61.5,106.86 v1(62.23,107.59) 68.49,107.59 71.03,110.13 v1(73.17,110.13) 73.91,110.87
  Bottom w0.25: v1(62.23,107.59) 61.52,108.3 ; v1(73.17,110.13) 73.88,109.43
Net-(LED12-DOUT): length 39.3
  Top w0.25: 73.91,91.71 v1(73.17,90.97) 72.77,91.38 72.77,92.36 74.25,93.84 86.46,93.84 87.46,94.84 87.46,103.95 v1(81.24,110.17) 80.54,109.47
  Bottom w0.25: v1(81.24,110.17) 80.5,110.91 ; v1(73.17,90.97) 73.88,90.27
Net-(LED13-DOUT): length 38.8
  Top w0.25: 73.91,72.66 v1(73.17,71.92) 72.77,72.33 72.77,73.18 74.45,74.87 86.09,74.87 87.45,76.23 87.45,84.72 v1(81.21,90.96) 80.56,90.31
  Bottom w0.25: v1(73.17,71.92) 73.88,71.22 ; v1(81.21,90.96) 80.42,91.75
Net-(LED14-DOUT): length 45.4
  Top w0.25: 80.45,71.26 v1(81.18,71.99) 87.93,71.99 89.62,70.3 89.62,67.54 87.7,65.62 87.7,58.97 88.06,58.61 88.06,57.34 86.59,55.87 74.38,55.87 72.58,54.07 72.58,53.47 v1(73.17,52.87) 73.91,53.61
  Bottom w0.25: v1(73.17,52.87) 73.88,52.17 ; v1(81.18,71.99) 80.47,72.7
Net-(LED15-DOUT): length 38.2
  Top w0.25: 80.61,52.21 v1(81.3,52.9) 81.3,52.89 82.09,52.1 82.1,52.1 87.61,46.6 87.61,39.63 84.89,36.91 74.38,36.91 72.83,35.36 72.83,34.17 v1(73.17,33.82) 73.91,34.56
  Bottom w0.25: v1(73.17,33.82) 73.88,33.12 ; v1(81.3,52.9) 80.55,53.65
Net-(LED16-DOUT): length 16.1
  Top w0.25: 80.59,33.16 v1(81.28,33.85) 83.81,31.32 v1(92.22,31.32) 92.96,32.06
  Bottom w0.25: v1(81.28,33.85) 80.53,34.6 ; v1(92.22,31.32) 92.93,30.62
Net-(LED17-DOUT): length 34.3
  Top w0.25: 99.58,30.66 v1(100.28,31.36) 100.83,31.91 100.83,33.69 100.17,34.35 91.83,34.35 89.1,37.09 89.1,47.25 v1(92.22,50.37) 92.96,51.11
  Bottom w0.25: v1(92.22,50.37) 92.93,49.67 ; v1(100.28,31.36) 99.54,32.1
Net-(LED18-DOUT): length 34.6
  Top w0.25: 92.96,70.16 v1(92.22,69.42) 92.22,63.7 91.45,62.92 90.45,62.92 89.32,61.79 89.32,56.05 91.92,53.45 100.01,53.45 100.75,52.71 100.75,50.88 v1(100.26,50.39) 99.58,49.71
  Bottom w0.25: v1(92.22,69.42) 92.93,68.72 ; v1(100.26,50.39) 99.5,51.15
Net-(LED19-DOUT): length 35
  Top w0.25: 92.96,89.21 v1(92.22,88.47) 90.6,88.47 89.3,87.17 89.3,75.08 92.08,72.3 100.29,72.3 100.75,71.84 100.75,69.96 v1(100.28,69.49) 99.55,68.76
  Bottom w0.25: v1(92.22,88.47) 92.93,87.77 ; v1(100.28,69.49) 99.57,70.2
Net-(LED20-DOUT): length 36
  Top w0.25: 93.56,108.26 92.76,108.26 v1(92.06,107.55) 89.32,104.81 89.32,92.68 90.65,91.35 100.24,91.35 100.88,90.71 100.88,89.16 v1(100.23,88.51) 99.53,87.81
  Bottom w0.25: v1(92.06,107.55) 92.33,107.55 93.06,106.82 ; v1(100.23,88.51) 99.49,89.25
Net-(LED21-DOUT): length 17.2
  Top w0.25: 112.01,103.36 v1(111.27,102.62) 110.08,102.62 105.11,107.59 100.27,107.59 v1(100.25,107.6) 99.51,106.86
  Bottom w0.25: v1(111.27,102.62) 111.98,101.92 ; v1(100.25,107.6) 99.56,108.3
Net-(LED22-DOUT): length 39.1
  Top w0.25: 112.01,84.31 v1(111.27,83.57) 110.74,84.11 110.74,85.12 111.74,86.12 120.24,86.12 121.1,86.98 121.1,88.92 123.95,91.77 124.9,91.77 125.64,92.51 125.64,98.53 121.48,102.69 v1(119.26,102.69) 118.53,101.96
  Bottom w0.25: v1(111.27,83.57) 111.98,82.87 ; v1(119.26,102.69) 118.55,103.4
Net-(LED23-DOUT): length 36.6
  Top w0.25: 112.01,65.26 v1(111.27,64.52) 110.95,64.85 110.95,66.59 111.79,67.43 119.14,67.43 125.1,73.4 125.12,73.4 125.45,73.73 125.45,73.74 125.64,73.93 125.64,77.96 120,83.6 v1(119.43,83.6) 118.74,82.91
  Bottom w0.25: v1(119.43,83.6) 118.68,84.35 ; v1(111.27,64.52) 111.98,63.82
Net-(LED24-DOUT): length 35.9
  Top w0.25: 112.01,46.21 v1(111.27,45.47) 111.05,45.7 111.05,47.37 112.73,49.05 119.8,49.05 125.1,54.35 125.12,54.35 125.51,54.74 125.51,58.55 v1(119.45,64.6) 118.71,63.86
  Bottom w0.25: v1(111.27,45.47) 111.98,44.77 ; v1(119.45,64.6) 118.75,65.3
Net-(LED25-DOUT): length 15.1
  Top w0.25: 118.55,44.81 v1(119.28,45.54) 130.25,45.54 v1(130.32,45.47) 131.06,46.21
  Bottom w0.25: v1(119.28,45.54) 118.57,46.25 ; v1(130.32,45.47) 131.03,44.77
Net-(LED26-DOUT): length 33.4
  Top w0.25: 137.59,44.81 v1(138.32,45.54) 138.93,46.15 138.93,48.19 138.15,48.97 135.83,48.97 135,49.8 135,51.02 134.18,51.84 129.42,51.84 127.42,53.84 127.42,61.62 v1(130.32,64.52) 131.06,65.26
  Bottom w0.25: v1(138.32,45.54) 137.61,46.25 ; v1(130.32,64.52) 131.03,63.82
Net-(LED27-DOUT): length 37.6
  Top w0.25: 137.54,63.86 138.27,64.59 v1(138.36,64.59) 144.69,70.92 144.69,77.64 141.08,81.25 131.28,81.25 130.32,82.21 v1(130.32,83.57) 131.06,84.31
  Bottom w0.25: v1(138.36,64.59) 138.22,64.59 137.51,65.3 ; v1(130.32,83.57) 131.03,82.87
Net-(LED28-DOUT): length 37
  Top w0.25: 131.06,103.36 v1(130.32,102.62) 130.32,101.2 131.51,100.01 139.74,100.01 144.15,95.6 144.17,95.6 144.63,95.14 144.63,89.03 139.24,83.64 v1(138.32,83.64) 137.59,82.91
  Bottom w0.25: v1(138.32,83.64) 137.61,84.35 ; v1(130.32,102.62) 131.03,101.92
Net-(LED29-DOUT): length 6.9
  Top w0.25: LED29.4 138.62,101.94 TP1.1
  Bottom w0.25: 137.04,103.44 140.56,103.44

## Copper pours and planes (outline as drawn; the poured copper is in the pictures)
GND on Bottom: -0.4,22.04 11.37,-0.97 67.91,15.03 105.85,15.03 145.68,29.92 145.45,108.67 89.59,116.09 0,116.25 -0.48,29.81
VSYS on Top: 0.2,21.95 10.97,0.8 13.02,0.1 67.72,15.5 105.82,15.5 145.42,30.07 145.42,108.67 86.82,116.25 0,116.25 0,23.12

Small or netless copper shapes (teardrops, artwork), in the pictures only: 287 on Top, 211 on Bottom

## Text on the board
Bottom: ${REVISION}
B.Silkscreen: G19 | 3V3EN | G21 | GND | 3V3 | LH | RH | VSYS | G27 | G22 | G20 | G28 | G26 | G18 | USB
User.Eco1: s26 | s27 | s1 | s7 | s13 | s19 | s2 | s14 | s20 | s28 | s8 | s21 | s3 | s15 | s9 | s29 | s16 | s22 | s30 | s4 | s10 | s11 | s5 | s17 | s23 | s12 | s6 | s18 | s24
F.Silkscreen: G19 | 3V3 | GND | VSYS | G27 | G22 | G20 | G28 | G26 | G18 | 3V3EN | G21 | Sofle-Pico-Choc - Neff+Werle / https://soflepico.com/ / Original Sofle - Josef Adamcik / https://josefadamcik.github.io/SofleKeyboard
